# Altium PCB FPGA_Board.PcbDoc
Units mm, origin at the board's own origin, x right, y up, seen from the top; angles counter-clockwise.
Board outline 160 x 100 mm, 2 copper layers (Top Layer, Bottom Layer); 178 components, 249 nets, 1334 pads, 5 vias.
Unrouted connection lines stored in the file: 791.
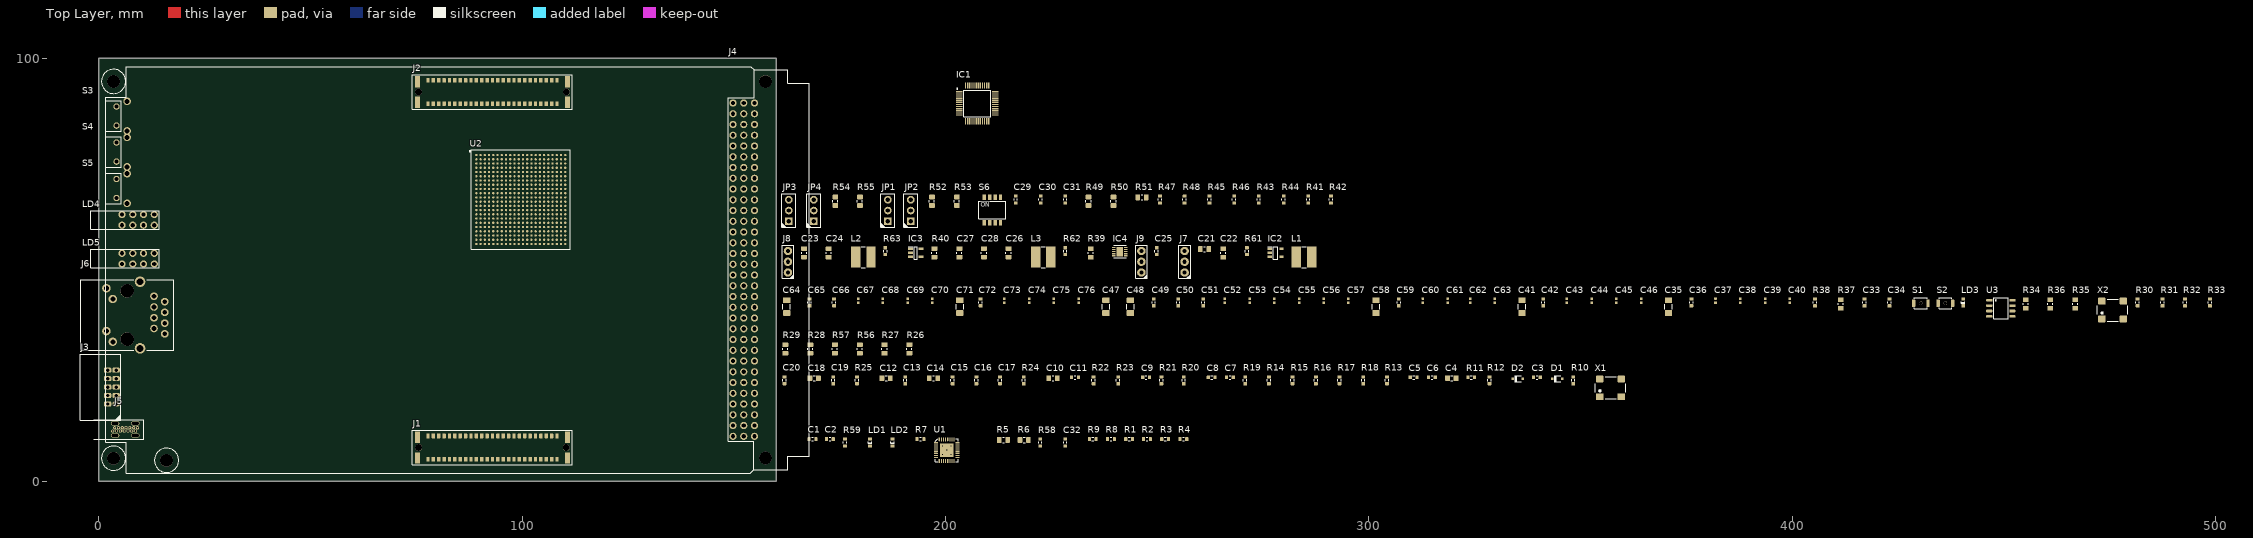
[diagram p0: Top Layer view]
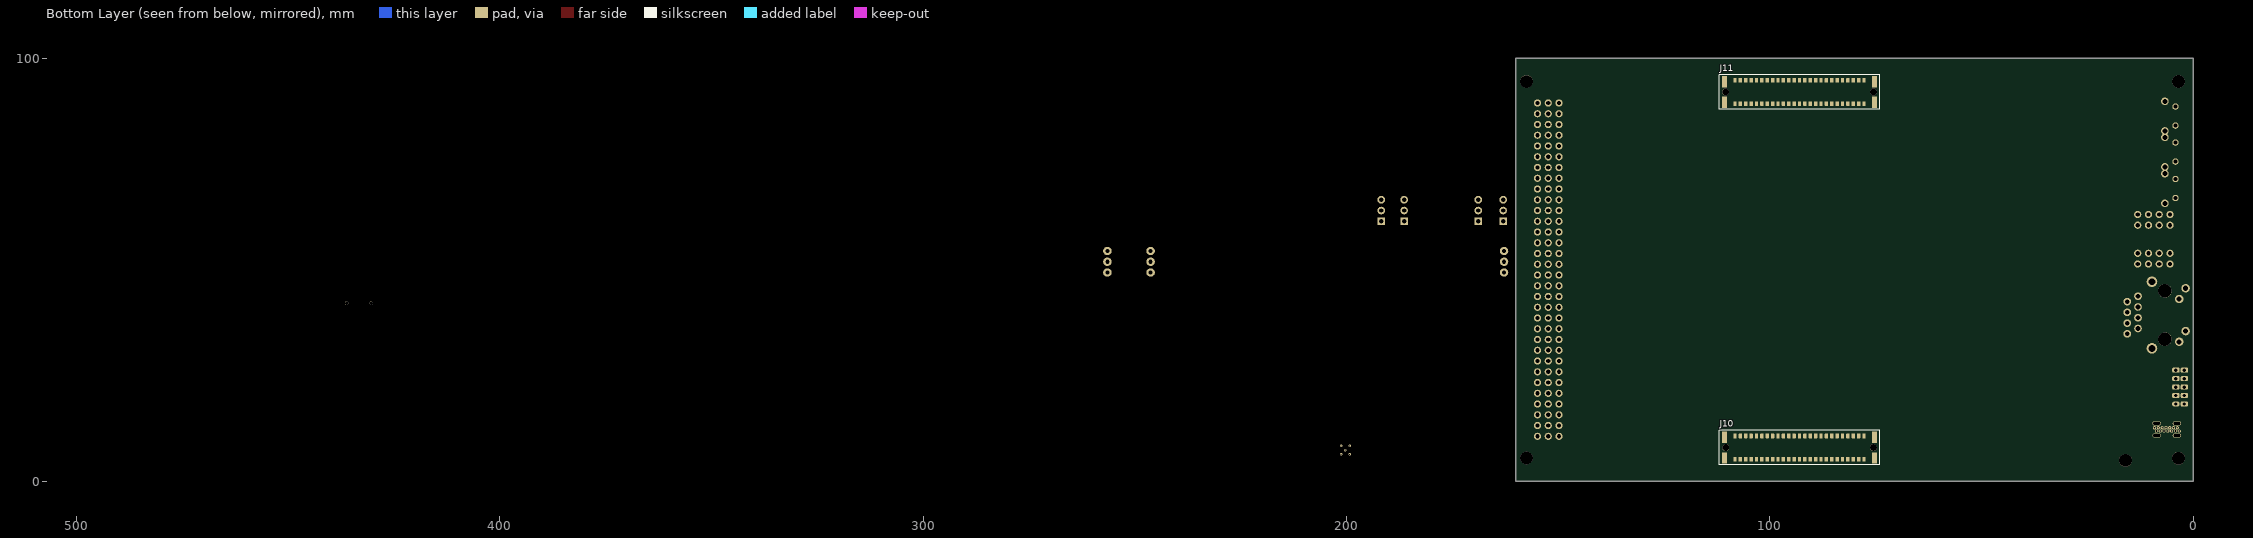
[diagram p1: Bottom Layer view, seen from below]

## Layer stack, top to bottom
Top Solder: solder mask 0.0102, Solder Resist, Dk 3.5
Top Layer: signal copper 0.0356
Dielectric 1: dielectric 0.32, FR-4, Dk 4.8
Bottom Layer: signal copper 0.0356
Bottom Solder: solder mask 0.0102, Solder Resist, Dk 3.5

## Board outline
0,0 160,0 160,100 0,100

## Design rules (kind name [scope] priority, off if disabled: settings)
Clearance [All] p1: gap=0.254 ignorepadtopadclearanceinfootprint=FALSE except(0: Arc-Hole Track-Hole SMDPad-Hole THPad-Hole Via-Hole Fill-Hole Poly-Hole Region-Hole Text-Hole)
DiffPairsRouting [All] p1: maxlimit=0.254 minlimit=0.254 mostfreqgap=0.254 toplayer_minwidth=0.381 toplayer_maxwidth=0.381 toplayer_prefwidth=0.381 bottomlayer_minwidth=0.381 bottomlayer_maxwidth=0.381 bottomlayer_prefwidth=0.381 maxuncoupledlength=12.7
PolygonConnect [All] p1: connectstyle=Relief reliefconductorwidth=0.254 reliefentries=4 polygonreliefangle="90 Angle" airgapwidth=0.254
RoutingVias [All] p1: holewidth=0.711 width=1.27 viastyle="Through Hole" minholewidth=0.711 minwidth=1.27 maxholewidth=0.711 maxwidth=1.27
SolderMaskExpansion [All] p1: expansion=0.102
Width [All] p1: maxlimit=0.254 minlimit=0.254 preferedwidth=0.254
29 further rules are at their usual default settings.

## Classes and differential pairs
component class UserInterface_0: C29 C30 C31 JP1 JP2 JP3 JP4 LD4 LD5 R41 R42 R43 R44 R45 R46 R47 R48 R49 R50 R51 R52 R53 R54 R55 S3 S4 S5 S6
component class Supply_0: C21 C22 C23 C24 C25 C26 C27 C28 IC2 IC3 IC4 J7 J8 J9 L1 L2 L3 R39 R40 R61 R62 R63 R?
component class FPGA_1: C33 C34 C35 C36 C37 C38 C39 C40 C41 C42 C43 C44 C45 C46 C47 C48 C49 C50 C51 C52 C53 C54 C55 C56 C57 C58 C59 C60 C61 C62 C63 C64 C65 C66 C67 C68 C69 C70 C71 C72 C73 C74 C75 C76 LD3 R30 R31 R32 R33 R34 R35 R36 R37 R38 S1 S2 U3 X2
component class FPGA_0: R26 R27 R28 R29 R56 R57 U2
component class Ethernet_0: C3 C4 C5 C6 C7 C8 C9 C10 C11 C12 C13 C14 C15 C16 C17 C18 C19 C20 D1 D2 IC1 J6 R10 R11 R12 R13 R14 R15 R16 R17 R18 R19 R20 R21 R22 R23 R24 R25 X1
component class Connector_0: C1 C2 C32 J1 J2 J3 J4 J5 J10 J11 LD1 LD2 R1 R2 R3 R4 R5 R6 R7 R8 R9 R58 R59 U1
differential pair TX: +TX_P -TX_N
differential pair RX: +RX_P -RX_N
differential pair USBD: +USBD_P -USBD_N

## Components (designator, comment, footprint, x,y, rotation, side; value= is the part's Value field where it differs from the comment)
C1 "10nF" "CAPACITOR 1608 REFLOW" 168.6,10 r0 top
C2 "100nF" "CAPACITOR 1608 REFLOW" 172.7,10 r0 top
C3 "100nF" "CAPACITOR 1608 REFLOW" 339.699,24.6 r0 top
C4 "10uF" "CAPACITOR 2012 REFLOW" 319.599,24.4 r0 top
C5 "10nF" "CAPACITOR 1608 REFLOW" 310.599,24.6 r0 top
C6 "10nF" "CAPACITOR 1608 REFLOW" 314.899,24.6 r0 top
C7 "100pF" "CAPACITOR 1608 REFLOW" 267.199,24.6 r0 top
C8 "0.022uF" "CAPACITOR 1608 REFLOW" 262.899,24.6 r0 top
C9 "4700pF" "CAPACITOR 1608 REFLOW" 247.399,24.6 r0 top
C10 "22uF" "CAPACITOR 2012 REFLOW" 225.399,24.4 r0 top
C11 "100nF" "CAPACITOR 1608 REFLOW" 230.599,24.6 r0 top
C12 "22uF" "CAPACITOR 2012 REFLOW" 186,24.4 r0 top
C13 "100nF" "CAPACITOR 1608 REFLOW" 190.5,23.9 r90 top
C14 "22uF" "CAPACITOR 2012 REFLOW" 197.2,24.4 r0 top
C15 "100nF" "CAPACITOR 1608 REFLOW" 201.7,23.9 r90 top
C16 "100nF" "CAPACITOR 1608 REFLOW" 207.3,23.9 r90 top
C17 "100nF" "CAPACITOR 1608 REFLOW" 212.9,23.9 r90 top
C18 "1uF" "CAPACITOR 2012 REFLOW" 169,24.4 r0 top
C19 "100nF" "CAPACITOR 1608 REFLOW" 173.5,23.9 r90 top
C20 "100nF" "CAPACITOR 1608 REFLOW" 162,23.9 r90 top
C21 "10uF" "CAPACITOR 2012 REFLOW" 261.199,54.9 r0 top
C22 "22uF / X5R / 6.3V" "CAPACITOR 2012 REFLOW" 265.599,54 r90 top
C23 "22uF / X5R / 6.3V" "CAPACITOR 2012 REFLOW" 166.6,54 r90 top
C24 "22uF / X5R / 6.3V" "CAPACITOR 2012 REFLOW" 172.4,54 r90 top
C25 "100nF" "CAPACITOR 1608 REFLOW" 249.899,54.4 r90 top
C26 "22uF / X7R / 6.3V" "CAPACITOR 2012 REFLOW" 214.9,54 r90 top
C27 "22uF / X5R / 6.3V" "CAPACITOR 2012 REFLOW" 203.3,54 r90 top
C28 "22uF / X5R / 6.3V" "CAPACITOR 2012 REFLOW" 209.1,54 r90 top
C29 "100n" "CAPACITOR 1608 REFLOW" 216.6,66.6 r90 top
C30 "100n" "CAPACITOR 1608 REFLOW" 222.5,66.6 r90 top
C31 "100n" "CAPACITOR 1608 REFLOW" 228.299,66.6 r90 top
C32 "100nF" "CAPACITOR 1608 REFLOW" 228.299,9.2 r90 top
C33 "100nF" "CAPACITOR 1608 REFLOW" 417.099,42.3 r90 top
C34 "100nF" "CAPACITOR 1608 REFLOW" 422.999,42.3 r90 top
C35 "100uF" "CAPACITOR 3216 REFLOW" 370.799,41.3 r90 top
C36 "4.7uF" "CAPACITOR 1608 REFLOW" 376.199,42.3 r90 top
C37 "470nF" "CAPACITOR 1005 REFLOW" 381.899,42.7 r90 top
C38 "470nF" "CAPACITOR 1005 REFLOW" 387.699,42.7 r90 top
C39 "470nF" "CAPACITOR 1005 REFLOW" 393.599,42.7 r90 top
C40 "470nF" "CAPACITOR 1005 REFLOW" 399.399,42.7 r90 top
C41 "100uF" "CAPACITOR 3216 REFLOW" 336.199,41.3 r90 top
C42 "4.7uF" "CAPACITOR 1608 REFLOW" 341.199,42.3 r90 top
C43 "470nF" "CAPACITOR 1005 REFLOW" 346.799,42.7 r90 top
C44 "470nF" "CAPACITOR 1005 REFLOW" 352.699,42.7 r90 top
C45 "470nF" "CAPACITOR 1005 REFLOW" 358.499,42.7 r90 top
C46 "470nF" "CAPACITOR 1005 REFLOW" 364.399,42.7 r90 top
C47 "100uF" "CAPACITOR 3216 REFLOW" 237.899,41.3 r90 top
C48 "100uF" "CAPACITOR 3216 REFLOW" 243.699,41.3 r90 top
C49 "4.7uF" "CAPACITOR 1608 REFLOW" 249.199,42.3 r90 top
C50 "4.7uF" "CAPACITOR 1608 REFLOW" 254.999,42.3 r90 top
C51 "4.7uF" "CAPACITOR 1608 REFLOW" 260.899,42.3 r90 top
C52 "470nF" "CAPACITOR 1005 REFLOW" 265.999,42.7 r90 top
C53 "470nF" "CAPACITOR 1005 REFLOW" 271.899,42.7 r90 top
C54 "470nF" "CAPACITOR 1005 REFLOW" 277.699,42.7 r90 top
C55 "470nF" "CAPACITOR 1005 REFLOW" 283.599,42.7 r90 top
C56 "470nF" "CAPACITOR 1005 REFLOW" 289.399,42.7 r90 top
C57 "470nF" "CAPACITOR 1005 REFLOW" 295.199,42.7 r90 top
C58 "100uF" "CAPACITOR 3216 REFLOW" 301.699,41.3 r90 top
C59 "4.7uF" "CAPACITOR 1608 REFLOW" 307.099,42.3 r90 top
C60 "470nF" "CAPACITOR 1005 REFLOW" 312.799,42.7 r90 top
C61 "470nF" "CAPACITOR 1005 REFLOW" 318.599,42.7 r90 top
C62 "470nF" "CAPACITOR 1005 REFLOW" 323.999,42.7 r90 top
C63 "470nF" "CAPACITOR 1005 REFLOW" 329.799,42.7 r90 top
C64 "100uF" "CAPACITOR 3216 REFLOW" 162.5,41.3 r90 top
C65 "4.7uF" "CAPACITOR 1608 REFLOW" 167.9,42.3 r90 top
C66 "4.7uF" "CAPACITOR 1608 REFLOW" 173.7,42.3 r90 top
C67 "470nF" "CAPACITOR 1005 REFLOW" 179.4,42.7 r90 top
C68 "470nF" "CAPACITOR 1005 REFLOW" 185.2,42.7 r90 top
C69 "470nF" "CAPACITOR 1005 REFLOW" 191.1,42.7 r90 top
C70 "470nF" "CAPACITOR 1005 REFLOW" 196.9,42.7 r90 top
C71 "100uF" "CAPACITOR 3216 REFLOW" 203.4,41.3 r90 top
C72 "4.7uF" "CAPACITOR 1608 REFLOW" 208.3,42.3 r90 top
C73 "470nF" "CAPACITOR 1005 REFLOW" 213.9,42.7 r90 top
C74 "470nF" "CAPACITOR 1005 REFLOW" 219.8,42.7 r90 top
C75 "470nF" "CAPACITOR 1005 REFLOW" 225.599,42.7 r90 top
C76 "470nF" "CAPACITOR 1005 REFLOW" 231.499,42.7 r90 top
D1 "1N4148" "DIODE SOD323 REFLOW" 344.499,24.3 r0 top
D2 "1N4148" "DIODE SOD323 REFLOW" 335.199,24.3 r0 top
IC1 "KSZ8041TL" QFP50P900X900X105-48N 207.5,89.3 r0 top
IC2 "RP402N501F-TR-FE" SOT95P280X130-5N 277.999,54 r0 top
IC3 "SC189ZSKTRT" SOT95P280X145-5N 193,54 r0 top
IC4 "ADP2119ACPZ-1.2-R7" SON50P300X300X85-11N 241.199,54.3 r0 top
J1 "ERNI SMC-B50-SMD-BA" "ERNI SMC-B50-SMD-BA" 93,8 r180 top locked
J2 "ERNI SMC-B50-SMD-BA" "ERNI SMC-B50-SMD-BA" 93,92 r180 top locked
J3 "FlatCable2x5" "FlatCable2x5 2MM Right Angle TH FCI 98614-G61-10ULF" 3.1,22.3 r270 top
J4 "09031966921" "DIN41612 MALE 3X32 ABC R90" 167.6,50 r270 top locked
J5 "2169890001" "USB-C-TH MOLEX 2169890001" 9.15,12.29 r270 top
J6 "RJ45-PULSE-J0011D21BNL" "RJ45 PULSE J0011D21BNL" -4.1,39.315 r90 top
J7 "*" "PinHeader1x3 P2.54" 256.499,51.9 r90 top
J8 "*" "PinHeader1x3 P2.54" 162.8,51.9 r90 top
J9 "*" "PinHeader1x3 P2.54" 246.299,51.9 r90 top
J10 "ERNI SMC-Q50-SMD-BA" "ERNI SMC-Q50-SMD-BA" 93,8 r180 bottom locked
J11 "ERNI SMC-Q50-SMD-BA" "ERNI SMC-Q50-SMD-BA" 93,92 r180 bottom locked
JP1 "{Value}" "JUMPER3 TH" 186.4,64 r90 top
JP2 "{Value}" "JUMPER3 TH" 191.8,64 r90 top
JP3 "{Value}" "JUMPER3 TH" 163,64 r90 top
JP4 "{Value}" "JUMPER3 TH" 168.9,64 r90 top
L1 "2.2uF" "TDK VLCF5020-1" 284.699,53 r0 top
L2 "2.2uH" "TDK VLCF5020-1" 180.6,53 r0 top
L3 "1.5uH" "TDK VLCF5020-1" 223.1,53 r0 top
LD1 "*" "LED 1608 REFLOW" 182.2,9.2 r90 top
LD2 "*" "LED 1608 REFLOW" 187.5,9.2 r90 top
LD3 "*" "LED 1608 REFLOW" 440.399,42.3 r90 top
LD4 "568-0721-111F" "LED Dialight 568-0721-111" 5.5,61.8 r0 top
LD5 "568-0721-111F" "LED Dialight 568-0721-111" 5.5,52.63 r0 top
R1 "10k" "RESISTOR 1608 REFLOW" 243.399,10 r0 top
R2 "10k" "RESISTOR 1608 REFLOW" 247.599,10 r0 top
R3 "10k" "RESISTOR 1608 REFLOW" 251.899,10 r0 top
R4 "10k" "RESISTOR 1608 REFLOW" 256.199,10 r0 top
R5 "330" "RESISTOR 2012 REFLOW" 213.7,9.8 r0 top
R6 "330" "RESISTOR 2012 REFLOW" 218.6,9.8 r0 top
R7 "Ferrite" "RESISTOR 1608 REFLOW" 194.1,10 r0 top
R8 "4k7" "RESISTOR 1608 REFLOW" 239.099,10 r0 top
R9 "4k7" "RESISTOR 1608 REFLOW" 234.799,10 r0 top
R10 "10k" "RESISTOR 1608 REFLOW" 348.299,23.9 r90 top
R11 "nm" "RESISTOR 1608 REFLOW" 324.199,24.6 r0 top
R12 "nm" "RESISTOR 1608 REFLOW" 328.499,23.9 r90 top
R13 "4.7k" "RESISTOR 1608 REFLOW" 304.299,23.9 r90 top
R14 "0" "RESISTOR 1608 REFLOW" 276.399,23.9 r90 top
R15 "49.9" "RESISTOR 1608 REFLOW" 281.999,23.9 r90 top
R16 "49.9" "RESISTOR 1608 REFLOW" 287.499,23.9 r90 top
R17 "49.9" "RESISTOR 1608 REFLOW" 293.099,23.9 r90 top
R18 "49.9" "RESISTOR 1608 REFLOW" 298.699,23.9 r90 top
R19 "6.49k" "RESISTOR 1608 REFLOW" 270.799,23.9 r90 top
R20 "330" "RESISTOR 1608 REFLOW" 256.299,23.9 r90 top
R21 "330" "RESISTOR 1608 REFLOW" 250.999,23.9 r90 top
R22 "Ferrite" "RESISTOR 1608 REFLOW" 234.999,23.9 r90 top
R23 "10M" "RESISTOR 1608 REFLOW" 240.799,23.9 r90 top
R24 "Ferrite" "RESISTOR 1608 REFLOW" 218.5,23.9 r90 top
R25 "Ferrite" "RESISTOR 1608 REFLOW" 179.1,23.9 r90 top
R26 "0" "RESISTOR 2012 REFLOW" 191.5,31.3 r90 top
R27 "0" "RESISTOR 2012 REFLOW" 185.6,31.3 r90 top
R28 "0" "RESISTOR 2012 REFLOW" 168.1,31.3 r90 top
R29 "4.7k" "RESISTOR 2012 REFLOW" 162.2,31.3 r90 top
R30 "10k" "RESISTOR 1608 REFLOW" 481.599,42.3 r90 top
R31 "10k" "RESISTOR 1608 REFLOW" 487.499,42.3 r90 top
R32 "10k" "RESISTOR 1608 REFLOW" 492.799,42.3 r90 top
R33 "100" "RESISTOR 1608 REFLOW" 498.699,42.3 r90 top
R34 "4.7k" "RESISTOR 2012 REFLOW" 455.199,41.9 r90 top
R35 "330" "RESISTOR 2012 REFLOW" 466.899,41.9 r90 top
R36 "4.7k" "RESISTOR 2012 REFLOW" 460.999,41.9 r90 top
R37 "100" "RESISTOR 2012 REFLOW" 411.499,41.9 r90 top
R38 "100" "RESISTOR 1608 REFLOW" 405.399,42.3 r90 top
R39 "10" "RESISTOR 2012 REFLOW" 234.299,54 r90 top
R40 "10k" "RESISTOR 2012 REFLOW" 197.4,54 r90 top
R41 "120R" "RESISTOR 1608 REFLOW" 285.699,66.6 r90 top
R42 "120R" "RESISTOR 1608 REFLOW" 291.099,66.6 r90 top
R43 "120R" "RESISTOR 1608 REFLOW" 273.999,66.6 r90 top
R44 "120R" "RESISTOR 1608 REFLOW" 279.899,66.6 r90 top
R45 "120R" "RESISTOR 1608 REFLOW" 262.399,66.6 r90 top
R46 "120R" "RESISTOR 1608 REFLOW" 268.199,66.6 r90 top
R47 "120R" "RESISTOR 1608 REFLOW" 250.699,66.6 r90 top
R48 "120R" "RESISTOR 1608 REFLOW" 256.499,66.6 r90 top
R49 "470R" "RESISTOR 2012 REFLOW" 233.799,66.2 r90 top
R50 "470R" "RESISTOR 2012 REFLOW" 239.699,66.2 r90 top
R51 "470R" "RESISTOR 2012 REFLOW" 246.399,67.1 r0 top
R52 "10k" "RESISTOR 2012 REFLOW" 196.8,66.2 r90 top
R53 "10k" "RESISTOR 2012 REFLOW" 202.7,66.2 r90 top
R54 "10k" "RESISTOR 2012 REFLOW" 174,66.2 r90 top
R55 "10k" "RESISTOR 2012 REFLOW" 179.8,66.2 r90 top
R56 "NC" "RESISTOR 2012 REFLOW" 179.8,31.3 r90 top
R57 "NC" "RESISTOR 2012 REFLOW" 173.9,31.3 r90 top
R58 "5.1k" "RESISTOR 1608 REFLOW" 222.4,9.2 r90 top
R59 "5.1k" "RESISTOR 1608 REFLOW" 176.3,9.2 r90 top
R61 "0" "RESISTOR 1608 REFLOW" 271.199,54.4 r90 top
R62 "0" "RESISTOR 1608 REFLOW" 228.299,54.4 r90 top
R63 "0" "RESISTOR 1608 REFLOW" 185.8,54.4 r90 top
S1 "*" "Push Button C2.5X3.0 OMRON B3U-1000P(M)-B" 430.399,42.1 r0 top
S2 "*" "Push Button C2.5X3.0 OMRON B3U-1000P(M)-B" 436.199,42.1 r0 top
S3 "FSMRA4JH04" "Push Button C7.1x3.7 TE FSMRA4JH" 1.6,86.3 r270 top locked
S4 "FSMRA4JH04" "Push Button C7.1x3.7 TE FSMRA4JH" 1.6,77.8 r270 top locked
S5 "FSMRA4JH04" "Push Button C7.1x3.7 TE FSMRA4JH" 1.6,69.2 r270 top locked
S6 "*" "DIP SWITCH MULTICOMP  MCDHN-04F" 211.1,64.1 r0 top
U1 "FT232RQ" "QFN32 P0.5 T3.2x3.2 C5.0X5.0 H1.0" 200.3,7.4 r0 top
U2 "XC6SLX75-FG484" "BGA484 P1.0 C23X23 H2.2" 99.7,66.6 r0 top
U3 "IS25LP064D-JB" "SO8 P1.27 C4.0X5.0 H1.75" 449.299,40.9 r0 top
X1 "831019170" "Oscillator C5.2x7.2 IQD LFSPXO" 357.099,22.1 r0 top
X2 "831022731" "Oscillator C5.2x7.2 IQD LFSPXO" 475.699,40.5 r0 top

## Footprints (in the part's own frame and the unit in brackets; to place one, negate y for a bottom-side part, rotate by r counter-clockwise, add the part's x,y. Pads: shape width x height; smd on the part's side, far side on the other; paste and mask are expansions set on the pad)
"BGA484 P1.0 C23X23 H2.2" [mm] "BGA, 484-Balls, Body 23x23mm, Pitch 1mm, Microsemi"
  round 0.54 smd paste-0.06: A1(-10.5,10.5) A2(-9.5,10.5) A3(-8.5,10.5) A4(-7.5,10.5) A5(-6.5,10.5) A6(-5.5,10.5) A7(-4.5,10.5) A8(-3.5,10.5) A9(-2.5,10.5) A10(-1.5,10.5) A11(-0.5,10.5) A12(0.5,10.5) A13(1.5,10.5) A14(2.5,10.5) A15(3.5,10.5) A16(4.5,10.5) A17(5.5,10.5) A18(6.5,10.5) A19(7.5,10.5) A20(8.5,10.5) A21(9.5,10.5) A22(10.5,10.5) AA1(-10.5,-9.5) AA2(-9.5,-9.5) AA3(-8.5,-9.5) AA4(-7.5,-9.5) AA5(-6.5,-9.5) AA6(-5.5,-9.5) AA7(-4.5,-9.5) AA8(-3.5,-9.5) AA9(-2.5,-9.5) AA10(-1.5,-9.5) AA11(-0.5,-9.5) AA12(0.5,-9.5) AA13(1.5,-9.5) AA14(2.5,-9.5) AA15(3.5,-9.5) AA16(4.5,-9.5) AA17(5.5,-9.5) AA18(6.5,-9.5) AA19(7.5,-9.5) AA20(8.5,-9.5) AA21(9.5,-9.5) AA22(10.5,-9.5) AB1(-10.5,-10.5) AB2(-9.5,-10.5) AB3(-8.5,-10.5) AB4(-7.5,-10.5) AB5(-6.5,-10.5) AB6(-5.5,-10.5) AB7(-4.5,-10.5) AB8(-3.5,-10.5) AB9(-2.5,-10.5) AB10(-1.5,-10.5) AB11(-0.5,-10.5) AB12(0.5,-10.5) AB13(1.5,-10.5) AB14(2.5,-10.5) AB15(3.5,-10.5) AB16(4.5,-10.5) AB17(5.5,-10.5) AB18(6.5,-10.5) AB19(7.5,-10.5) AB20(8.5,-10.5) AB21(9.5,-10.5) AB22(10.5,-10.5) B1(-10.5,9.5) B2(-9.5,9.5) B3(-8.5,9.5) B4(-7.5,9.5) B5(-6.5,9.5) B6(-5.5,9.5) B7(-4.5,9.5) B8(-3.5,9.5) B9(-2.5,9.5) B10(-1.5,9.5) B11(-0.5,9.5) B12(0.5,9.5) B13(1.5,9.5) B14(2.5,9.5) B15(3.5,9.5) B16(4.5,9.5) B17(5.5,9.5) B18(6.5,9.5) B19(7.5,9.5) B20(8.5,9.5) B21(9.5,9.5) B22(10.5,9.5) C1(-10.5,8.5) C2(-9.5,8.5) C3(-8.5,8.5) C4(-7.5,8.5) C5(-6.5,8.5) C6(-5.5,8.5) C7(-4.5,8.5) C8(-3.5,8.5) C9(-2.5,8.5) C10(-1.5,8.5) C11(-0.5,8.5) C12(0.5,8.5) C13(1.5,8.5) C14(2.5,8.5) C15(3.5,8.5) C16(4.5,8.5) C17(5.5,8.5) C18(6.5,8.5) C19(7.5,8.5) C20(8.5,8.5) C21(9.5,8.5) C22(10.5,8.5) D1(-10.5,7.5) D2(-9.5,7.5) D3(-8.5,7.5) D4(-7.5,7.5) D5(-6.5,7.5) D6(-5.5,7.5) D7(-4.5,7.5) D8(-3.5,7.5) D9(-2.5,7.5) D10(-1.5,7.5) D11(-0.5,7.5) D12(0.5,7.5) D13(1.5,7.5) D14(2.5,7.5) D15(3.5,7.5) D16(4.5,7.5) D17(5.5,7.5) D18(6.5,7.5) D19(7.5,7.5) D20(8.5,7.5) D21(9.5,7.5) D22(10.5,7.5) E1(-10.5,6.5) E2(-9.5,6.5) E3(-8.5,6.5) E4(-7.5,6.5) E5(-6.5,6.5) E6(-5.5,6.5) E7(-4.5,6.5) E8(-3.5,6.5) E9(-2.5,6.5) E10(-1.5,6.5) E11(-0.5,6.5) E12(0.5,6.5) E13(1.5,6.5) E14(2.5,6.5) E15(3.5,6.5) E16(4.5,6.5) E17(5.5,6.5) E18(6.5,6.5) E19(7.5,6.5) E20(8.5,6.5) E21(9.5,6.5) E22(10.5,6.5) F1(-10.5,5.5) F2(-9.5,5.5) F3(-8.5,5.5) F4(-7.5,5.5) F5(-6.5,5.5) F6(-5.5,5.5) F7(-4.5,5.5) F8(-3.5,5.5) F9(-2.5,5.5) F10(-1.5,5.5) F11(-0.5,5.5) F12(0.5,5.5) F13(1.5,5.5) F14(2.5,5.5) F15(3.5,5.5) F16(4.5,5.5) F17(5.5,5.5) F18(6.5,5.5) F19(7.5,5.5) F20(8.5,5.5) F21(9.5,5.5) F22(10.5,5.5) G1(-10.5,4.5) G2(-9.5,4.5) G3(-8.5,4.5) G4(-7.5,4.5) G5(-6.5,4.5) G6(-5.5,4.5) G7(-4.5,4.5) G8(-3.5,4.5) G9(-2.5,4.5) G10(-1.5,4.5) G11(-0.5,4.5) G12(0.5,4.5) G13(1.5,4.5) G14(2.5,4.5) G15(3.5,4.5) G16(4.5,4.5) G17(5.5,4.5) G18(6.5,4.5) G19(7.5,4.5) G20(8.5,4.5) G21(9.5,4.5) G22(10.5,4.5) H1(-10.5,3.5) H2(-9.5,3.5) H3(-8.5,3.5) H4(-7.5,3.5) H5(-6.5,3.5) H6(-5.5,3.5) H7(-4.5,3.5) H8(-3.5,3.5) H9(-2.5,3.5) H10(-1.5,3.5) H11(-0.5,3.5) H12(0.5,3.5) H13(1.5,3.5) H14(2.5,3.5) H15(3.5,3.5) H16(4.5,3.5) H17(5.5,3.5) H18(6.5,3.5) H19(7.5,3.5) H20(8.5,3.5) H21(9.5,3.5) H22(10.5,3.5) J1(-10.5,2.5) J2(-9.5,2.5) J3(-8.5,2.5) J4(-7.5,2.5) J5(-6.5,2.5) J6(-5.5,2.5) J7(-4.5,2.5) J8(-3.5,2.5) J9(-2.5,2.5) J10(-1.5,2.5) J11(-0.5,2.5) J12(0.5,2.5) J13(1.5,2.5) J14(2.5,2.5) J15(3.5,2.5) J16(4.5,2.5) J17(5.5,2.5) J18(6.5,2.5) J19(7.5,2.5) J20(8.5,2.5) J21(9.5,2.5) J22(10.5,2.5) K1(-10.5,1.5) K2(-9.5,1.5) K3(-8.5,1.5) K4(-7.5,1.5) K5(-6.5,1.5) K6(-5.5,1.5) K7(-4.5,1.5) K8(-3.5,1.5) K9(-2.5,1.5) K10(-1.5,1.5) K11(-0.5,1.5) K12(0.5,1.5) K13(1.5,1.5) K14(2.5,1.5) K15(3.5,1.5) K16(4.5,1.5) K17(5.5,1.5) K18(6.5,1.5) K19(7.5,1.5) K20(8.5,1.5) K21(9.5,1.5) K22(10.5,1.5) L1(-10.5,0.5) L2(-9.5,0.5) L3(-8.5,0.5) L4(-7.5,0.5) L5(-6.5,0.5) L6(-5.5,0.5) L7(-4.5,0.5) L8(-3.5,0.5) L9(-2.5,0.5) L10(-1.5,0.5) L11(-0.5,0.5) L12(0.5,0.5) L13(1.5,0.5) L14(2.5,0.5) L15(3.5,0.5) L16(4.5,0.5) L17(5.5,0.5) L18(6.5,0.5) L19(7.5,0.5) L20(8.5,0.5) L21(9.5,0.5) L22(10.5,0.5) M1(-10.5,-0.5) M2(-9.5,-0.5) M3(-8.5,-0.5) M4(-7.5,-0.5) M5(-6.5,-0.5) M6(-5.5,-0.5) M7(-4.5,-0.5) M8(-3.5,-0.5) M9(-2.5,-0.5) M10(-1.5,-0.5) M11(-0.5,-0.5) M12(0.5,-0.5) M13(1.5,-0.5) M14(2.5,-0.5) M15(3.5,-0.5) M16(4.5,-0.5) M17(5.5,-0.5) M18(6.5,-0.5) M19(7.5,-0.5) M20(8.5,-0.5) M21(9.5,-0.5) M22(10.5,-0.5) N1(-10.5,-1.5) N2(-9.5,-1.5) N3(-8.5,-1.5) N4(-7.5,-1.5) N5(-6.5,-1.5) N6(-5.5,-1.5) N7(-4.5,-1.5) N8(-3.5,-1.5) N9(-2.5,-1.5) N10(-1.5,-1.5) N11(-0.5,-1.5) N12(0.5,-1.5) N13(1.5,-1.5) N14(2.5,-1.5) N15(3.5,-1.5) N16(4.5,-1.5) N17(5.5,-1.5) N18(6.5,-1.5) N19(7.5,-1.5) N20(8.5,-1.5) N21(9.5,-1.5) N22(10.5,-1.5) P1(-10.5,-2.5) P2(-9.5,-2.5) P3(-8.5,-2.5) P4(-7.5,-2.5) P5(-6.5,-2.5) P6(-5.5,-2.5) P7(-4.5,-2.5) P8(-3.5,-2.5) P9(-2.5,-2.5) P10(-1.5,-2.5) P11(-0.5,-2.5) P12(0.5,-2.5) P13(1.5,-2.5) P14(2.5,-2.5) P15(3.5,-2.5) P16(4.5,-2.5) P17(5.5,-2.5) P18(6.5,-2.5) P19(7.5,-2.5) P20(8.5,-2.5) P21(9.5,-2.5) P22(10.5,-2.5) R1(-10.5,-3.5) R2(-9.5,-3.5) R3(-8.5,-3.5) R4(-7.5,-3.5) R5(-6.5,-3.5) R6(-5.5,-3.5) R7(-4.5,-3.5) R8(-3.5,-3.5) R9(-2.5,-3.5) R10(-1.5,-3.5) R11(-0.5,-3.5) R12(0.5,-3.5) R13(1.5,-3.5) R14(2.5,-3.5) R15(3.5,-3.5) R16(4.5,-3.5) R17(5.5,-3.5) R18(6.5,-3.5) R19(7.5,-3.5) R20(8.5,-3.5) R21(9.5,-3.5) R22(10.5,-3.5) T1(-10.5,-4.5) T2(-9.5,-4.5) T3(-8.5,-4.5) T4(-7.5,-4.5) T5(-6.5,-4.5) T6(-5.5,-4.5) T7(-4.5,-4.5) T8(-3.5,-4.5) T9(-2.5,-4.5) T10(-1.5,-4.5) T11(-0.5,-4.5) T12(0.5,-4.5) T13(1.5,-4.5) T14(2.5,-4.5) T15(3.5,-4.5) T16(4.5,-4.5) T17(5.5,-4.5) T18(6.5,-4.5) T19(7.5,-4.5) T20(8.5,-4.5) T21(9.5,-4.5) T22(10.5,-4.5) U1(-10.5,-5.5) U2(-9.5,-5.5) U3(-8.5,-5.5) U4(-7.5,-5.5) U5(-6.5,-5.5) U6(-5.5,-5.5) U7(-4.5,-5.5) U8(-3.5,-5.5) U9(-2.5,-5.5) U10(-1.5,-5.5) U11(-0.5,-5.5) U12(0.5,-5.5) U13(1.5,-5.5) U14(2.5,-5.5) U15(3.5,-5.5) U16(4.5,-5.5) U17(5.5,-5.5) U18(6.5,-5.5) U19(7.5,-5.5) U20(8.5,-5.5) U21(9.5,-5.5) U22(10.5,-5.5) V1(-10.5,-6.5) V2(-9.5,-6.5) V3(-8.5,-6.5) V4(-7.5,-6.5) V5(-6.5,-6.5) V6(-5.5,-6.5) V7(-4.5,-6.5) V8(-3.5,-6.5) V9(-2.5,-6.5) V10(-1.5,-6.5) V11(-0.5,-6.5) V12(0.5,-6.5) V13(1.5,-6.5) V14(2.5,-6.5) V15(3.5,-6.5) V16(4.5,-6.5) V17(5.5,-6.5) V18(6.5,-6.5) V19(7.5,-6.5) V20(8.5,-6.5) V21(9.5,-6.5) V22(10.5,-6.5) W1(-10.5,-7.5) W2(-9.5,-7.5) W3(-8.5,-7.5) W4(-7.5,-7.5) W5(-6.5,-7.5) W6(-5.5,-7.5) W7(-4.5,-7.5) W8(-3.5,-7.5) W9(-2.5,-7.5) W10(-1.5,-7.5) W11(-0.5,-7.5) W12(0.5,-7.5) W13(1.5,-7.5) W14(2.5,-7.5) W15(3.5,-7.5) W16(4.5,-7.5) W17(5.5,-7.5) W18(6.5,-7.5) W19(7.5,-7.5) W20(8.5,-7.5) W21(9.5,-7.5) W22(10.5,-7.5) Y1(-10.5,-8.5) Y2(-9.5,-8.5) Y3(-8.5,-8.5) Y4(-7.5,-8.5) Y5(-6.5,-8.5) Y6(-5.5,-8.5) Y7(-4.5,-8.5) Y8(-3.5,-8.5) Y9(-2.5,-8.5) Y10(-1.5,-8.5) Y11(-0.5,-8.5) Y12(0.5,-8.5) Y13(1.5,-8.5) Y14(2.5,-8.5) Y15(3.5,-8.5) Y16(4.5,-8.5) Y17(5.5,-8.5) Y18(6.5,-8.5) Y19(7.5,-8.5) Y20(8.5,-8.5) Y21(9.5,-8.5) Y22(10.5,-8.5)
  silkscreen extent -12.22,-11.7 11.7,11.7, body extent -11.5,-11.5 11.5,11.5, height 2.23
"CAPACITOR 1005 REFLOW" [mm] "Capacitor SMD 1.0x0.5mm (0402-imperial)"
  rrect25% 0.6x0.6 smd: 1(-0.5,0) 2(0.5,0)
  body extent -0.5,-0.25 0.5,0.25, height 0.5
"CAPACITOR 1608 REFLOW" [mm] "Capacitor SMD 1.6x0.8mm (0603-imperial)"
  rrect25% 0.75x0.9 smd: 1(-0.8,0) 2(0.8,0)
  silkscreen extent -0.2,-0.4 0.2,0.4, body extent -0.8,-0.4 0.8,0.4, height 0.8
"CAPACITOR 2012 REFLOW" [mm] "Capacitor SMD 2.0x1.2mm (0805-imperial)"
  rrect25% 1.1x1.35 smd: 1(-1,0) 2(1,0)
  silkscreen extent -0.2,-0.6 0.2,0.6, body extent -1,-0.6 1,0.6, height 1
"CAPACITOR 3216 REFLOW" [mm] "Capacitor SMD 3.2x1.6mm (1206-imperial)"
  rrect25% 1.35x1.75 smd: 1(-1.5,0) 2(1.5,0)
  silkscreen extent -0.6,-0.9 0.6,0.9, body extent -1.7,-0.9 1.7,0.9, height 1.6
"DIN41612 MALE 3X32 ABC R90" [mm] "DIN41612 MALE 3X32 ABC R90"
  round 3 hole 3 paste-25.4 mask-25.4: 0(-44.45,-10.1) 0(44.45,-10.1)
  round 1.7 hole 1: A1(-39.4,-12.7) A2(-36.86,-12.7) A3(-34.32,-12.7) A4(-31.78,-12.7) A5(-29.24,-12.7) A6(-26.7,-12.7) A7(-24.16,-12.7) A8(-21.62,-12.7) A9(-19.08,-12.7) A10(-16.54,-12.7) A11(-14,-12.7) A12(-11.46,-12.7) A13(-8.92,-12.7) A14(-6.38,-12.7) A15(-3.84,-12.7) A16(-1.3,-12.7) A17(1.24,-12.7) A18(3.78,-12.7) A19(6.32,-12.7) A20(8.86,-12.7) A21(11.4,-12.7) A22(13.94,-12.7) A23(16.48,-12.7) A24(19.02,-12.7) A25(21.56,-12.7) A26(24.1,-12.7) A27(26.64,-12.7) A28(29.18,-12.7) A29(31.72,-12.7) A30(34.26,-12.7) A31(36.8,-12.7) A32(39.34,-12.7) B1(-39.4,-15.24) B2(-36.86,-15.24) B3(-34.32,-15.24) B4(-31.78,-15.24) B5(-29.24,-15.24) B6(-26.7,-15.24) B7(-24.16,-15.24) B8(-21.62,-15.24) B9(-19.08,-15.24) B10(-16.54,-15.24) B11(-14,-15.24) B12(-11.46,-15.24) B13(-8.92,-15.24) B14(-6.38,-15.24) B15(-3.84,-15.24) B16(-1.3,-15.24) B17(1.24,-15.24) B18(3.78,-15.24) B19(6.32,-15.24) B20(8.86,-15.24) B21(11.4,-15.24) B22(13.94,-15.24) B23(16.48,-15.24) B24(19.02,-15.24) B25(21.56,-15.24) B26(24.1,-15.24) B27(26.64,-15.24) B28(29.18,-15.24) B29(31.72,-15.24) B30(34.26,-15.24) B31(36.8,-15.24) B32(39.34,-15.24) C1(-39.4,-17.78) C2(-36.86,-17.78) C3(-34.32,-17.78) C4(-31.78,-17.78) C5(-29.24,-17.78) C6(-26.7,-17.78) C7(-24.16,-17.78) C8(-21.62,-17.78) C9(-19.08,-17.78) C10(-16.54,-17.78) C11(-14,-17.78) C12(-11.46,-17.78) C13(-8.92,-17.78) C14(-6.38,-17.78) C15(-3.84,-17.78) C16(-1.3,-17.78) C17(1.24,-17.78) C18(3.78,-17.78) C19(6.32,-17.78) C20(8.86,-17.78) C21(11.4,-17.78) C22(13.94,-17.78) C23(16.48,-17.78) C24(19.02,-17.78) C25(21.56,-17.78) C26(24.1,-17.78) C27(26.64,-17.78) C28(29.18,-17.78) C29(31.72,-17.78) C30(34.26,-17.78) C31(36.8,-17.78) C32(39.34,-17.78)